# Altium PCB LoRa_Sender.PcbDoc
Units mil, origin at the board's own origin, x right, y up, seen from the top; angles counter-clockwise.
Board outline 6000 x 4000 mil, 2 copper layers (Top Layer, Bottom Layer); 6 components, 13 nets, 71 pads, 0 vias.
Unrouted connection lines stored in the file: 7.
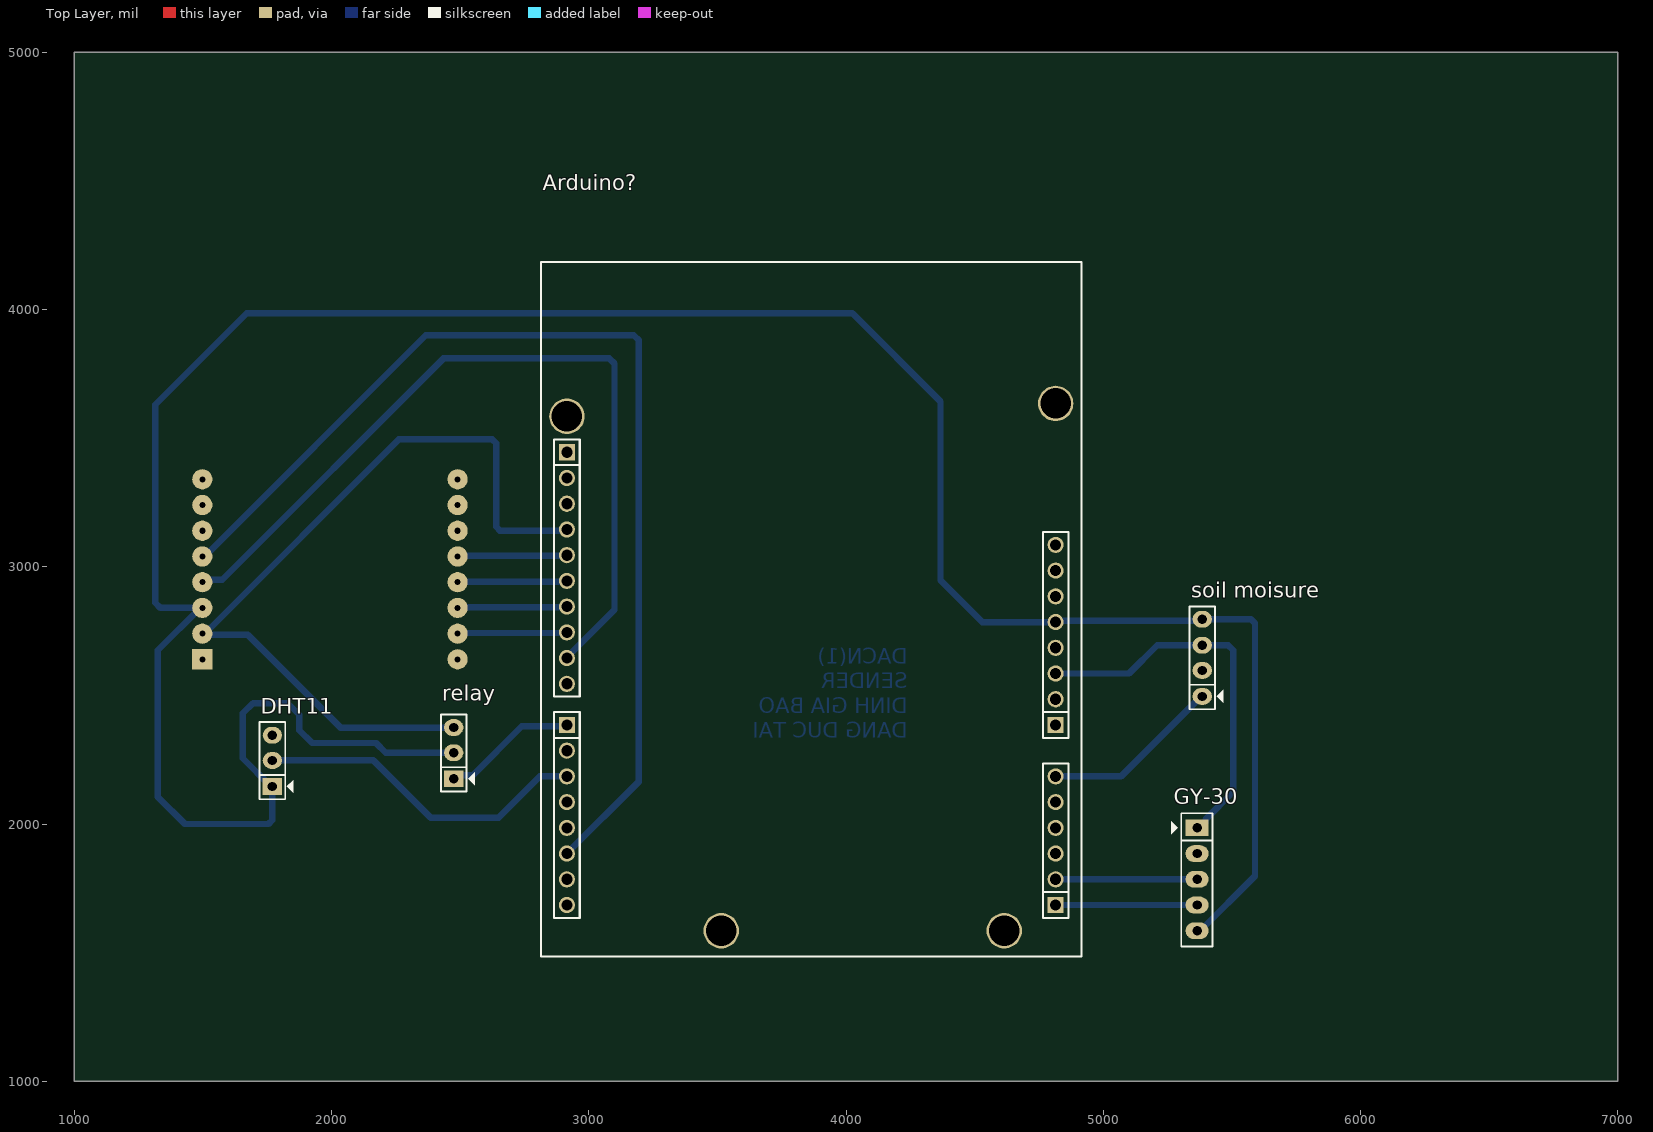
[diagram p0: Top Layer view]
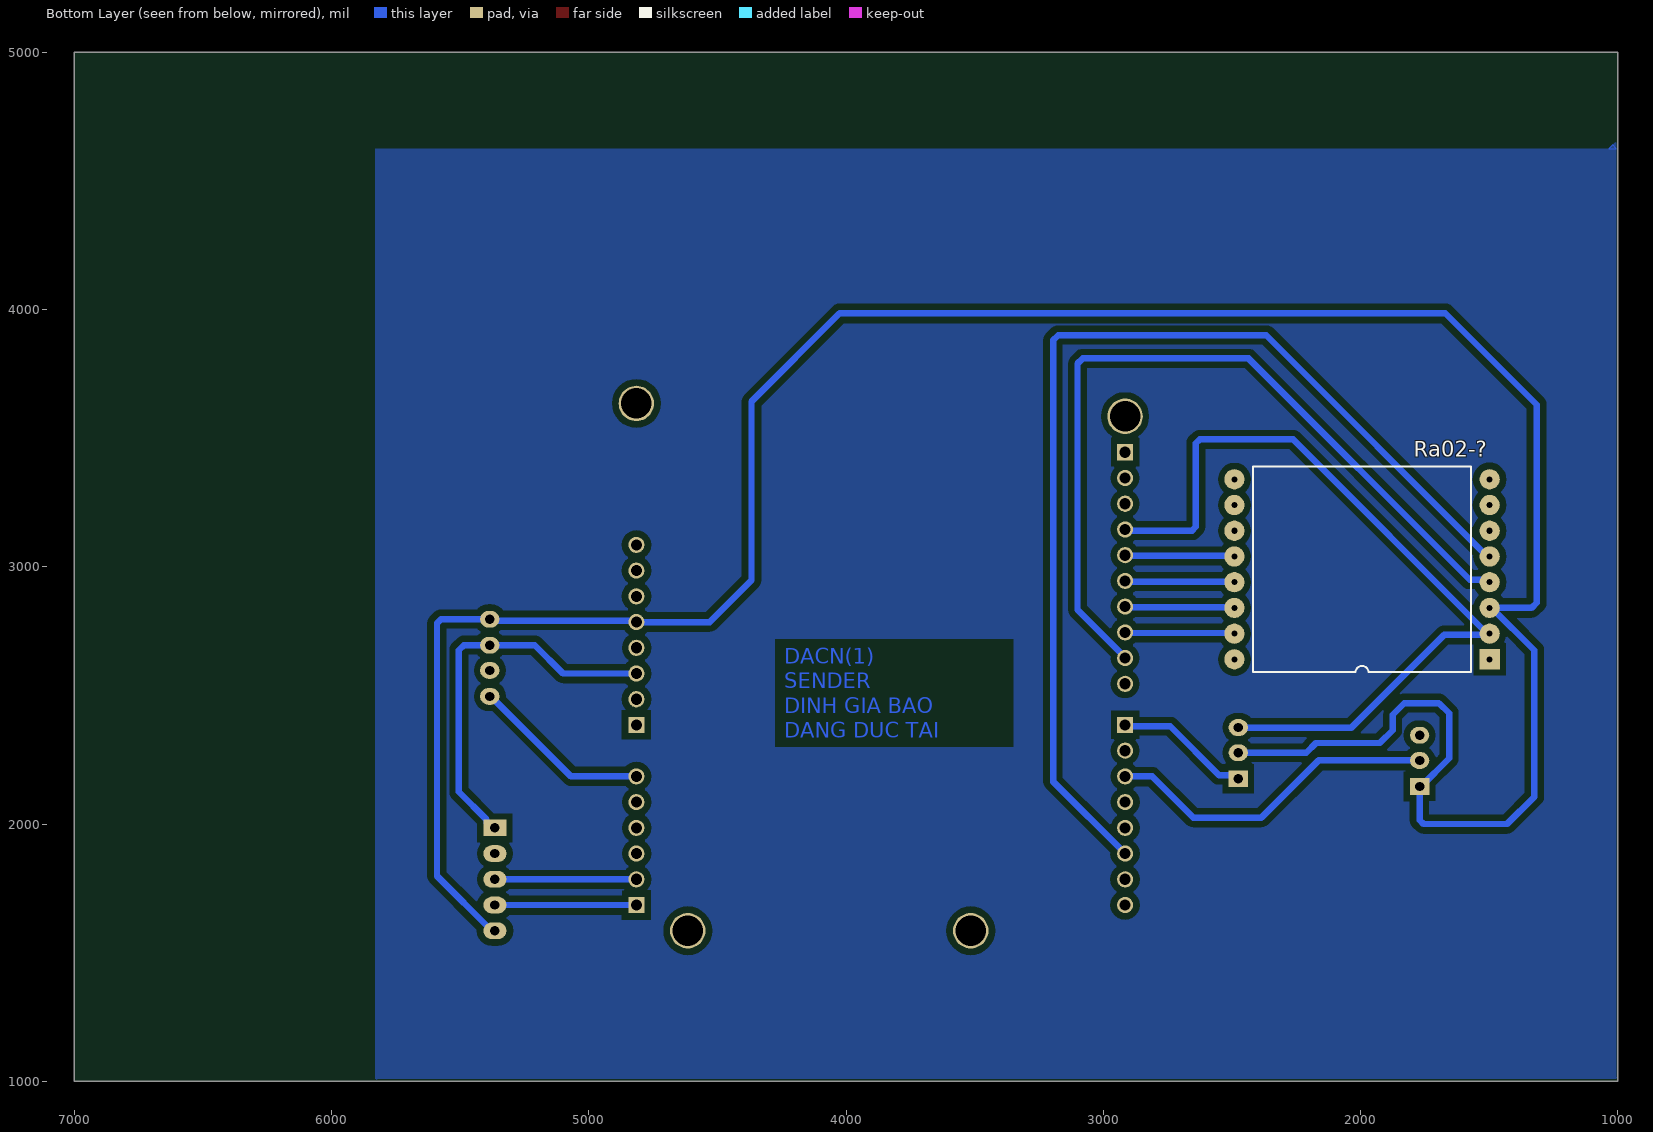
[diagram p1: Bottom Layer view, seen from below]

## Layer stack, top to bottom
Top Solder: solder mask 0.4, Solder Resist, Dk 3.5
Top Layer: signal copper 1.4
Dielectric 1: dielectric 12.6, FR-4, Dk 4.8
Bottom Layer: signal copper 1.4
Bottom Solder: solder mask 0.4, Solder Resist, Dk 3.5

## Board outline
1000,1000 7000,1000 7000,5000 1000,5000

## Design rules (kind name [scope] priority, off if disabled: settings)
Clearance [All] p1: gap=25 ignorepadtopadclearanceinfootprint=FALSE except(0: Arc-Hole Track-Hole SMDPad-Hole THPad-Hole Via-Hole Fill-Hole Poly-Hole Region-Hole Text-Hole)
PolygonConnect [All] p1: connectstyle=Relief reliefconductorwidth=10 reliefentries=4 polygonreliefangle="90 Angle" airgapwidth=10
RoutingLayers [All] p1: top layer_v5=FALSE bottom layer_v5=TRUE
RoutingVias [All] p1: holewidth=28 width=50 viastyle="Through Hole" minholewidth=28 minwidth=50 maxholewidth=28 maxwidth=50
SolderMaskExpansion [All] p1: expansion=4
Width [All] p1: maxlimit=25 minlimit=25 preferedwidth=25 minimp=50.000000 maximp=50.000000 favimp=50.000000
29 further rules are at their usual default settings.

## Classes and differential pairs
component class LoRa_Sender: Arduino? DHT11 GY-30 relay "soil moisure"

## Components (designator, comment, footprint, x,y, rotation, side; value= is the part's Value field where it differs from the comment)
Arduino? "Arduino Uno R3" "Arduino UNO R3" 3905,2860 r90 top value="Cau 1A"
DHT11 "Header 3" JP3 1770,2246 r90 top
GY-30 "Header 5" JP5 5365,1985 r270 top
Ra02-? "Module LoRa" "Module LoRa Ra02" 1497.87,2640 r0 bottom
relay "Header 3" JP3 2475,2276 r90 top
"soil moisure" "Header 4" JP4 5385,2596 r90 top

## Footprints (in the part's own frame and the unit in brackets; to place one, negate y for a bottom-side part, rotate by r counter-clockwise, add the part's x,y. Pads: shape width x height; smd on the part's side, far side on the other; paste and mask are expansions set on the pad)
"Arduino UNO R3" [mm]
  round 1.6 hole 1.1: 0-RX(-29.845,25.146) 1-TX(-27.305,25.146) 2(-24.765,25.146) 3V3(-1.905,-23.114) 4(-19.685,25.146) 5V(-4.445,-23.114) 8(-8.001,25.146) 12(2.159,25.146) 13(4.699,25.146) A0(-17.145,-23.114) A1(-19.685,-23.114) A2(-22.225,-23.114) A3(-24.765,-23.114) A4(-27.305,-23.114) AREF(9.779,25.146) GND(-9.525,-23.114) GND(-6.985,-23.114) GND(7.239,25.146) IOREF(3.175,-23.114) NC(5.715,-23.114) RESET(0.635,-23.114) SDA(12.319,25.146) ~3(-22.225,25.146) ~5(-17.145,25.146) ~6(-14.605,25.146) ~9(-5.461,25.146) ~10(-2.921,25.146) ~11(-0.381,25.146)
  rect 1.6x1.6 hole 1.1: 7(-12.065,25.146) A5(-29.845,-23.114) SCL(14.859,25.146) Vin(-12.065,-23.114)
  round 3.5 hole 3: GND(-32.385,9.906) GND(18.415,25.146) GND(19.685,-23.114) ""(-32.385,-18.034)
  oval 0x2 all layers, no hole: ""(-32.385,-18.034)
  round 0 all layers, no hole: ""(-32.385,9.906) ""(18.415,25.146) ""(19.685,-23.114)
  silkscreen extent -34.92,-25.65 33.66,27.69, body extent -34.93,-25.65 40,27.69, height 15.28
JP3 [mil]
  rect 65x75 hole 36: 1(-100,0)
  oval 65x75 hole 36: 2(1,0) 3(99,0)
  silkscreen extent -150,-81 150,50, body extent -150,-60 150,55, height 355
JP4 [mil]
  oval 65x75 hole 36: 1(-100,0) 2(1,0) 3(99,0) 4(200,0)
  silkscreen extent -150,-81 250,50, body extent -148,-48 248,50, height 323
JP5 [mil]
  rect 65x90 hole 36: 1(0,0)
  oval 65x90 hole 36: 2(100,0) 3(200,0) 4(300,0) 5(400,0)
  silkscreen extent -57,-101 461,60, body extent -48,-53 448,45, height 323
"Module LoRa Ra02" [mm]
  rect 2x2 hole 0.6: 1(0,0)
  round 2 hole 0.6: 2(0,-2.54) 3(0,-5.08) 4(0,-7.62) 5(0,-10.16) 6(0,-12.7) 7(0,-15.24) 8(0,-17.78) 9(25.2,-17.78) 10(25.2,-15.24) 11(25.2,-12.7) 12(25.2,-10.16) 13(25.2,-7.62) 14(25.2,-5.08) 15(25.2,-2.54) 16(25.2,0)
  silkscreen extent 1.84,-19.05 23.37,1.27, body extent -1.4,-19.22 26.5,1.18, height 4.7

## Part data
Arduino?: "Arduino UNO R3", ="Cau 5A"
DHT11 relay: "Header, 3-Pin", LatestRevisionDate=17-Jul-2002, LatestRevisionNote="Re-released for DXP Platform.", Publisher="Altium Limited"
GY-30: "Header, 5-Pin", LatestRevisionDate=17-Jul-2002, LatestRevisionNote="Re-released for DXP Platform.", Publisher="Altium Limited"
Ra02-?: library part "Module LoRa Ra02"
"soil moisure": "Header, 4-Pin", LatestRevisionDate=17-Jul-2002, LatestRevisionNote="Re-released for DXP Platform.", Publisher="Altium Limited"

## Nets (pads, with @x,y where several pads share a name; then routed paths per layer and width w, separated by ;. In a path a pad name is that pad's centre, name@x,y a point inside that pad or via, vN(x,y) a via of type N, cw(c..) or ccw(c..) an arc to the next point about the centre after c; other vN are vias at no path point)
3V3: "soil moisure.4" Arduino?.3V3 DHT11.1 GY-30.5 Ra02-?.3 relay.2 | length 10309.2
  Bottom Layer w25: Ra02-?.3 Ra02-?.3@1489.16,2840 ; relay.2 2211.09,2277 2173.09,2315 1925,2315 1875,2365 1875,2425 1830,2470 1695,2470 1655,2430 1655,2256 1765,2146 DHT11.1 1770,2015 1755,2000 1430,2000 1325,2105 1325,2675.84 Ra02-?.3@1489.16,2840 ; GY-30.5 5377.5,1585 5590,1797.5 5590,2780.36 5574.36,2796 5385,2796 5379.5,2790.5 4820.5,2790.5 Arduino?.3V3 4530,2785 4367.5,2947.5 4367.5,3642.5 4025,3985 1670,3985 1315,3630 1315,2860 1335,2840 Ra02-?.3@1489.16,2840
A0: "soil moisure.1" Arduino?.A0 | length 698.8
  Bottom Layer w25: Arduino?.A0 5069,2185 5380,2496 5385,2496
D5: Arduino?.~5 DHT11.2 | length 1303.2
  Bottom Layer w25: DHT11.2 2163,2247 2385,2025 2650,2025 2810,2185 Arduino?.~5
D7: Arduino?.7 relay.1 | length 526.6
  Bottom Layer w25: relay.1 2489,2190 2550,2190 2740,2380 2910,2380 Arduino?.7
DIO: Arduino?.2 Ra02-?.5 | length 4172.8
  Bottom Layer w25: Ra02-?.5 1506.58,3040 2366.58,3900 3175.36,3900 3195,3880.36 3195,2165 Arduino?.2
GND: "soil moisure.3" Arduino?.GND DHT11.3 GY-30.1 Ra02-?.2 Ra02-?.16 relay.3 | length 4696.7
  Bottom Layer w25: relay.3 2035,2375 1675,2735 1502.87,2735 Ra02-?.2 1506.58,2740 2261.58,3495 2625,3495 2640,3480 2640,3155 2654.64,3140.36 2910.36,3140.36 Arduino?.GND@2915,3145 ; Arduino?.GND@4815,2585 5100,2585 5210,2695 5385,2695 5485.36,2695 5505,2675.36 5505,2125 5397.5,2017.5 5397.5,2005 5377.5,1985 GY-30.1
MISO: Arduino?.12 Ra02-?.13 | length 427.1
  Bottom Layer w25: Ra02-?.13 2492.5,2942.5 2912.5,2942.5 Arduino?.12
MOSI: Arduino?.~11 Ra02-?.14 | length 427.1
  Bottom Layer w25: Ra02-?.14 2492.5,2842.5 2912.5,2842.5 Arduino?.~11
NSS: Arduino?.~10 Ra02-?.15 | length 427.1
  Bottom Layer w25: Ra02-?.15 2492.5,2742.5 2912.5,2742.5 Arduino?.~10
RST: Arduino?.~9 Ra02-?.4 | length 3201.1
  Bottom Layer w25: Ra02-?.4@1489.16,2940 Ra02-?.4 1507.62,2949.74 1574.74,2949.74 2435,3810 3080,3810 3100,3790 3100,2832.42 2915,2647.42 Arduino?.~9
SCK: Arduino?.13 Ra02-?.12 | length 427.1
  Bottom Layer w25: Ra02-?.12 2492.5,3042.5 2912.5,3042.5 Arduino?.13
SCL: Arduino?.A5 GY-30.4 | length 550
  Bottom Layer w25: Arduino?.A5 GY-30.4
SDA: Arduino?.A4 GY-30.3 | length 550
  Bottom Layer w25: Arduino?.A4 GY-30.3
pads on no net: "soil moisure.2" Arduino?. Arduino?.0-RX Arduino?.1-TX Arduino?.4 Arduino?.5V Arduino?.8 Arduino?.A1 Arduino?.A2 Arduino?.A3 Arduino?.AREF Arduino?.IOREF Arduino?.NC Arduino?.RESET Arduino?.SCL Arduino?.SDA Arduino?.Vin Arduino?.~3 Arduino?.~6 GY-30.2 Ra02-?.1 Ra02-?.6 Ra02-?.7 Ra02-?.8 Ra02-?.9 Ra02-?.10 Ra02-?.11

## Polygon pours and split planes (outlines as drawn)
no net on Bottom Layer "Bottom Layer-No Net 8" (solid, pour order 36): 1005,4625 1020,4640 1035,4625
no net on Bottom Layer "Bottom Layer-No Net 9" (solid, pour order 34): 1005,4655 1035,4625 5830,4625 5830,1010 5825,1005 5820,1010 1000,1010 1005,1015
no net on Bottom Layer "Bottom Layer-No Net 5" (solid, pour order 32): 9395,4630
no net on Bottom Layer "Bottom Layer-No Net 5" (solid, pour order 28): 9365,4615
no net on Bottom Layer "Bottom Layer-No Net 4" (solid, pour order 26): 8890,745
no net on Bottom Layer "Bottom Layer-No Net 4" (solid, pour order 10): 4010,750
no net on Bottom Layer "Bottom Layer-No Net 5" (solid, pour order 2): 4485,4620

## Other copper
Bottom Layer:
  pour cut-out: 1180,4710
  pour cut-out: 1175,4695
  pour cut-out: 1005,4625 1070,4625 1070,4690 1010,4690 1010,4630
  pour cut-out: 3390,3005
  pour cut-out: 3860,3010
  text "DACN(1)" at 4240,2622.93 h60
  text "SENDER" at 4240,2526.95 h60
  text "DINH GIA BAO" at 4240,2430.98 h60
  text "DANG DUC TAI" at 4240,2335 h60